# Allegro board RK3588_Template_LP4XD200P232SD8_41R0X41R0_2133MHz_H1R6_V10_20211229.brd (continued)
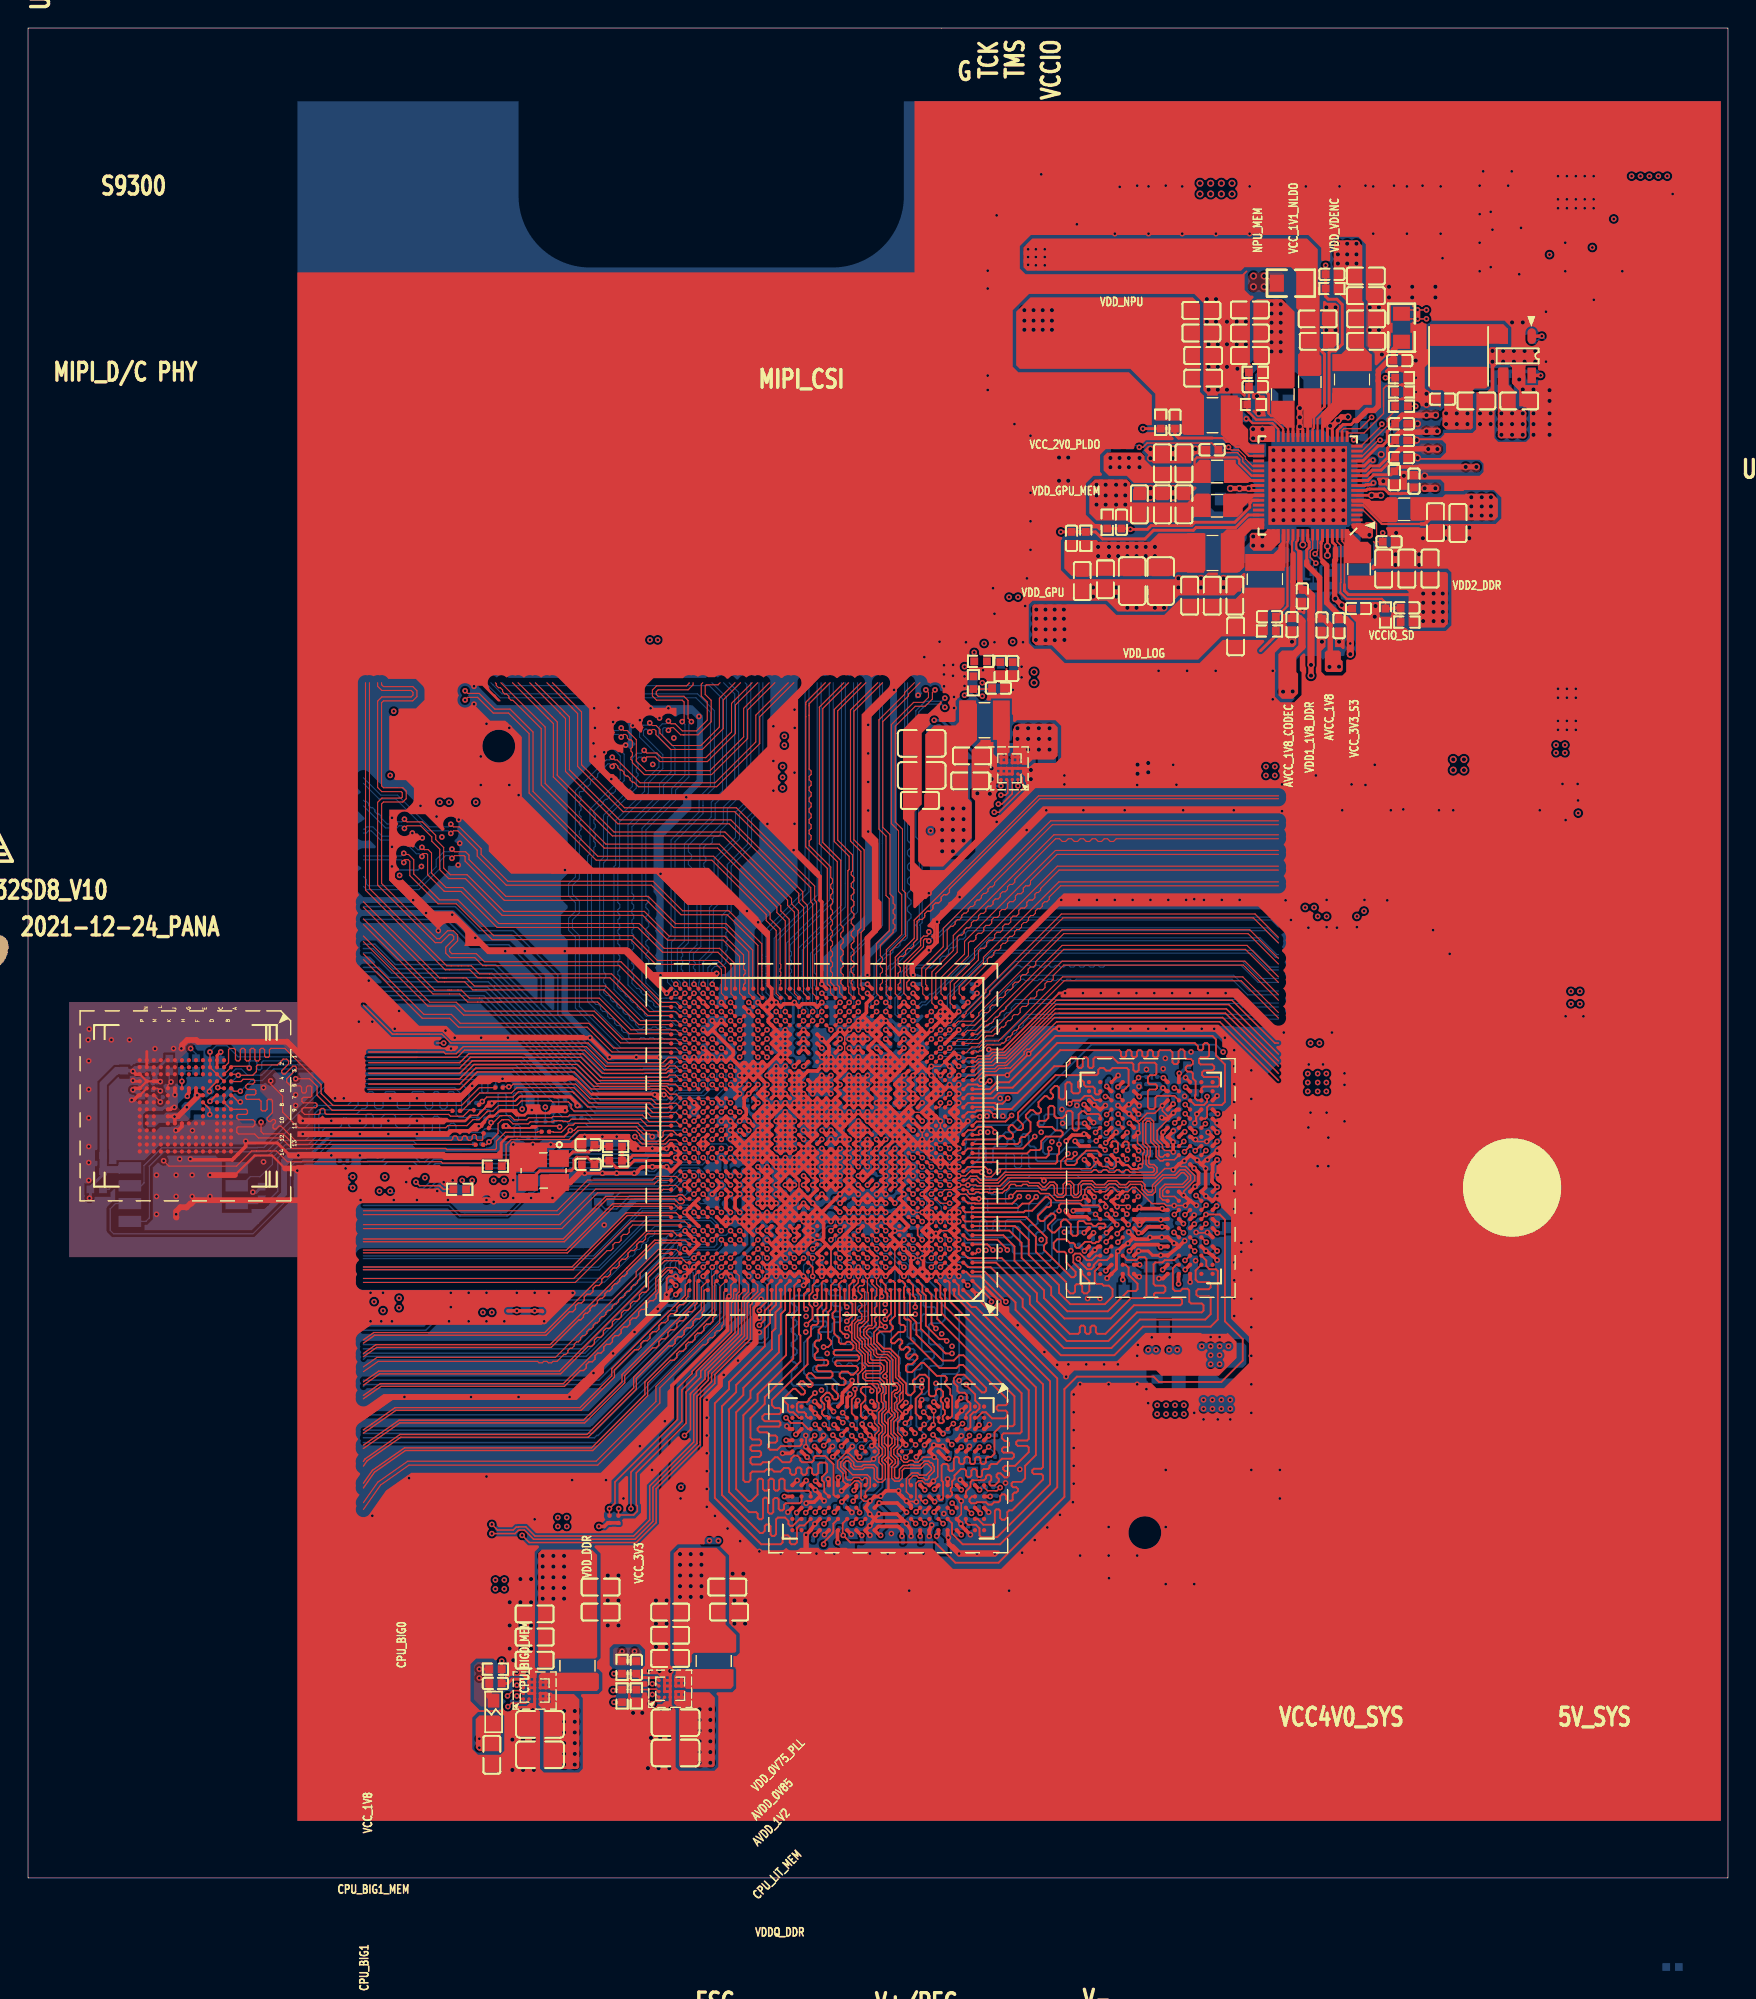
[diagram p0: board, top side]
## Footprints (pads in the part's own frame, mm; a bottom-side part is the same pattern mirrored in y, then rotated) (continued)
C0201
  custom 0.294x0.3 smd: 1(-0.25,0) 2(0.25,0)
C0402
  rect 0.55x0.55 smd: 1(-0.45,0) 2(0.45,0)
C0402_BGA
  custom 0.475x0.51 smd: 1(-0.47,0) 2(0.47,0)
C0603
  rect 0.8x0.9 smd: 1(-0.7,0) 2(0.7,0)
C0805
  rect 0.95x1.3 smd: 1(-0.825,0) 2(0.825,0)
CRY4_3R20X2R50X0R80
  rect 1.4x1.2 smd: 1(-1.1,-0.85) 2(1.1,-0.85) 3(1.1,0.85) 4(-1.1,0.85)
IND_201610
  rect 0.8x1.6 smd: 1(-0.9,0) 2(0.9,0)
IND_322512
  rect 1.2x2.8 smd: 1(-1.2,0) 2(1.2,0)
IND_404026
  rect 1.5x4 smd: 1(-1.5,0) 2(1.5,0)
L0603
  rect 0.965x0.8 smd: 1(-0.8,0) 2(0.8,0)
QFN68_7R00X7R00X0R80_T
  oval 0.8x0.2 smd: 1(-3.5,2.8)
  rect 0.8x0.2 smd: 2(-3.5,2.45) 3(-3.5,2.1) 4(-3.5,1.75) 5(-3.5,1.4) 6(-3.5,1.05) 7(-3.5,0.7) 8(-3.5,0.35) 9(-3.5,0) 10(-3.5,-0.35) 11(-3.5,-0.7) 12(-3.5,-1.05) 13(-3.5,-1.4) 14(-3.5,-1.75) 15(-3.5,-2.1) 16(-3.5,-2.45) 17(-3.5,-2.8) 35(3.5,-2.8) 36(3.5,-2.45) 37(3.5,-2.1) 38(3.5,-1.75) 39(3.5,-1.4) 40(3.5,-1.05) 41(3.5,-0.7) 42(3.5,-0.35) 43(3.5,0) 44(3.5,0.35) 45(3.5,0.7) 46(3.5,1.05) 47(3.5,1.4) 48(3.5,1.75) 49(3.5,2.1) 50(3.5,2.45) 51(3.5,2.8)
  rect 0.2x0.8 smd: 18(-2.8,-3.5) 19(-2.45,-3.5) 20(-2.1,-3.5) 21(-1.75,-3.5) 22(-1.4,-3.5) 23(-1.05,-3.5) 24(-0.7,-3.5) 25(-0.35,-3.5) 26(0,-3.5) 27(0.35,-3.5) 28(0.7,-3.5) 29(1.05,-3.5) 30(1.4,-3.5) 31(1.75,-3.5) 32(2.1,-3.5) 33(2.45,-3.5) 34(2.8,-3.5) 52(2.8,3.5) 53(2.45,3.5) 54(2.1,3.5) 55(1.75,3.5) 56(1.4,3.5) 57(1.05,3.5) 58(0.7,3.5) 59(0.35,3.5) 60(0,3.5) 61(-0.35,3.5) 62(-0.7,3.5) 63(-1.05,3.5) 64(-1.4,3.5) 65(-1.75,3.5) 66(-2.1,3.5) 67(-2.45,3.5) 68(-2.8,3.5)
  rect 5.6x5.6 smd: 69(0,0)
R0201
  custom 0.294x0.3 smd: 1(-0.25,0) 2(0.25,0)
R0402
  rect 0.55x0.55 smd: 1(-0.45,0) 2(0.45,0)
R0603
  rect 0.65x0.8 smd: 1(-0.725,0) 2(0.725,0)
R0805
  rect 1x1.2 smd: 1(-1,0) 2(1,0)
SOD_323
  rect 0.8x0.6 smd: 1(-1.2,0) 2(1.2,0)
SOT_23_5
  oval 1.1x0.6 smd: 1(0,0)
  rect 1.1x0.6 smd: 2(0,-1) 3(0,-2) 4(2.8,-2) 5(2.8,0)
WLCSP20_1R65X2R05X0R63
  round 0.24 smd: A1(-0.6,0.8) A2(-0.2,0.8) A3(0.2,0.8) A4(0.6,0.8) B1(-0.6,0.4) B2(-0.2,0.4) B3(0.2,0.4) B4(0.6,0.4) C1(-0.6,0) C2(-0.2,0) C3(0.2,0) C4(0.6,0) D1(-0.6,-0.4) D2(-0.2,-0.4) D3(0.2,-0.4) D4(0.6,-0.4) E1(-0.6,-0.8) E2(-0.2,-0.8) E3(0.2,-0.8) E4(0.6,-0.8)
WSON8_8R00X6R00X0R80_T
  rect 0.8x1.6 smd: 1(-1.905,-3.8) 2(-0.635,-3.8) 3(0.635,-3.8) 4(1.905,-3.8) 5(1.905,3.8) 6(0.635,3.8) 7(-0.635,3.8) 8(-1.905,3.8)
  rect 3.4x4.3 smd: 9(0,0)

## Nets
GND: C1000.2 C1001.2 C1002.2 C1003.2 C1004.2 C1005.2 C1006.2 C1007.2 C1010.2 C1013.2 C1014.2 C1015.2 C1016.2 C1017.2 C1018.2 C1019.2 C1020.2 C1022.2 C1023.2 C1024.2 C1025.2 C1027.2 C1028.2 C1029.2 C1030.2 C1031.2 C1032.2 C1033.2 C1034.2 C1035.2 C1036.2 C1037.2 C1038.2 C1039.2 C1040.2 C1041.2 C1042.2 C1043.2 C1045.2 C1046.2 C1047.2 C1048.2 C1049.2 C1050.2 C1051.2 C1052.2 C1054.2 C1057.2 C1058.2 C1059.2 C1060.2 C1061.2 C1062.2 C1063.2 C1064.2 C1065.2 C1066.2 C1069.2 C1070.2 C1071.2 C1072.2 C1073.2 C1080.2 C1081.2 C1082.2 C1083.2 C1085.2 C1086.2 C1100.2 C1101.2 C1102.2 C1103.2 C1104.2 C1105.2 C1106.2 C1107.2 C1109.2 C1110.2 C1111.2 C1112.2 C1113.2 C1200.2 C1201.2 C1202.2 C1203.2 C1204.2 C1205.2 C1206.2 C1207.2 C1208.2 C1209.2 C1210.2 C1211.2 C1212.2 C1213.2 C1214.2 C1215.2 C1216.2 C1217.2 C1218.2 C1219.2 C1220.2 C1221.2 C1223.2 C1224.2 C1225.2 C1226.2 C1227.2 C1228.2 C1229.2 C1231.2 C1232.2 C1300.2 C1301.2 C1302.2 C1400.2 C1401.2 C1402.2 C1403.2 C1404.2 C1405.2 C1406.2 C1407.2 C1408.2 C1409.2 C1410.2 C1501.2 C1502.2 C1503.2 C1505.2 C1510.2 C1511.2 C1512.2 C1513.2 C1600.2 C1601.2 C1602.2 C1603.2 C1605.2 C1608.2 C1609.2 C1611.2 C1613.2 C1615.2 C1616.2 C1617.2 C1619.2 C1621.2 C1714.2 C1715.2 C1716.2 C1717.2 C1729.2 C1731.2 C1732.2 C1733.2 C1735.2 C1738.2 C1740.2 C1741.2 C1742.2 C1752.2 C1800.2 C1801.2 C1802.2 C1803.2 C1804.2 C1806.2 C1808.2 C1810.2 C1812.2 C1813.2 C1814.2 C1815.2 C1816.2 C1818.2 C1902.2 C1903.2 C1907.2 C1908.2 C1909.2 C2200.2 C2201.2 C2202.2 C2203.2 C2204.2 C2207.2 C2208.2 C2209.2 C2210.2 C2211.2 C2212.2 C2213.2 C2214.2 C2215.2 C2218.2 C2219.2 C2220.2 C2221.2 C2222.2 C2223.2 C2224.2 C2225.2 C2226.2 C2229.2 C2230.2 C2231.2 C2232.2 C2234.2 C2235.2 C2236.2 C2237.2 C2240.2 C2241.2 C2242.2 C2243.2 C2244.2 C2245.2 C2246.2 C2247.2 C2249.2 C2250.2 C2252.2 C2253.2 C2254.2 C2255.2 C2256.2 C2257.2 C2258.2 C2259.2 C2260.2 C2262.2 C2263.2 C2264.2 C2265.2 C2266.2 C2267.2 C2268.2 C2269.2 C2270.2 C2271.2 C2300.2 C2301.2 C2302.2 C2303.2 C2305.2 C2306.2 C2307.2 C2308.2 C2309.2 C2311.2 C2312.2 C2313.2 C2314.2 C2315.2 C2316.2 C2317.2 C2318.2 C2319.2 C2321.2 C2322.2 C2324.2 C2325.2 C2326.2 C2327.2 C2328.2 C2329.2 C3800.2 C3801.2 C3802.2 C3803.2 C3804.2 C3805.2 C3806.2 C3807.2 C3808.2 C3809.2 C3810.2 C3811.2 C3812.2 C3813.2 C3814.2 C3815.2 C3816.2 C3817.2 C3818.2 C3819.2 C3820.2 C3821.2 C3822.2 C3823.2 C3824.2 C3825.2 C3826.2 C3827.2 C3828.2 C3829.2 C3830.2 C3831.2 C3832.2 C3833.2 C3834.2 C3835.2 C3836.2 C3837.2 C3838.2 C3839.2 C3840.2 C3841.2 C3842.2 C3844.2 C3845.2 C3846.2 C3847.2 C3848.2 C3849.2 C3850.2 C3851.2 C3852.2 C3853.2 C3854.2 C3855.2 C3856.2 C3857.2 C3858.2 C3859.2 C3860.2 C3861.2 C3862.2 C3863.2 C3864.2 C3865.2 C3866.2 C3867.2 C3868.2 C3869.2 C3870.2 C3871.2 C3872.2 C3873.2 C3874.2 C3875.2 C3876.2 C3877.2 C3878.2 C3879.2 C3880.2 C3881.2 C3882.2 C3883.2 C3884.2 C3885.2 C3886.2 C3887.2 C4000.2 C4001.2 C4002.2 C4003.2 C4004.2 C4005.2 C4006.2 C4007.2 C4008.2 C4009.2 C4300.2 C4301.2 C9314.2 D2200.1(A) R1110.2 R1116.2 R1400.2 R1401.2 R1402.2 R1405.2 R1406.2 R1410.2 R1509.2 R1510.2 R1708.2 R1719.2 R1730.2 R1801.2 R1807.2 R2204.2 R2208.2 R2212.2 R2213.2 R2217.1 R2303.2 R2307.2 R4004.2 U1000.A1(VSS_1) U1000.A11(VSS_2) U1000.A14(VSS_3) U1000.A34(VSS_4) U1000.AA3(VSS_248) U1000.AA6(VSS_249) U1000.AA8(AVSS_15) U1000.AA10(AVSS_16) U1000.AA11(VSS_250) U1000.AA16(VSS_251) U1000.AA17(VSS_252) U1000.AA18(VSS_253) U1000.AA19(VSS_254) U1000.AA20(VSS_255) U1000.AA21(VSS_256) U1000.AA22(VSS_257) U1000.AA23(VSS_258) U1000.AA24(VSS_259) U1000.AA31(VSS_260) U1000.AB3(VSS_261) U1000.AB5(VSS_262) U1000.AB6(AVSS_17) U1000.AB7(AVSS_18) U1000.AB8(AVSS_19) U1000.AB10(AVSS_20) U1000.AB11(VSS_263) U1000.AB16(VSS_264) U1000.AB17(VSS_265) U1000.AB18(VSS_266) U1000.AB19(VSS_267) U1000.AB20(VSS_268) U1000.AB24(VSS_269) U1000.AB27(VSS_270) U1000.AB29(VSS_271) U1000.AB32(VSS_272) U1000.AC3(VSS_273) U1000.AC4(VSS_274) U1000.AC5(AVSS_21) U1000.AC8(AVSS_22) U1000.AC10(AVSS_23) U1000.AC11(VSS_275) U1000.AC12(VSS_276) U1000.AC16(VSS_277) U1000.AC20(VSS_278) U1000.AC21(VSS_279) U1000.AC24(VSS_280) U1000.AC27(VSS_281) U1000.AD5(AVSS_24) U1000.AD8(AVSS_25) U1000.AD10(AVSS_26) U1000.AD11(VSS_282) U1000.AD12(VSS_283) U1000.AD16(VSS_284) U1000.AD20(VSS_285) U1000.AD21(VSS_286) U1000.AD24(VSS_287) U1000.AD25(VSS_288) U1000.AD26(VSS_289) U1000.AE3(VSS_290) U1000.AE6(AVSS_27) U1000.AE7(AVSS_28) U1000.AE9(AVSS_29) U1000.AE11(VSS_291) U1000.AE12(VSS_292) U1000.AE13(VSS_293) U1000.AE14(VSS_294) U1000.AE15(VSS_295) U1000.AE16(VSS_296) U1000.AE18(VSS_297) U1000.AE19(VSS_298) U1000.AE20(VSS_299) U1000.AE21(VSS_300) U1000.AE24(VSS_301) U1000.AE26(VSS_302) U1000.AF4(AVSS_30) U1000.AF7(AVSS_31) U1000.AF8(AVSS_32) U1000.AF11(AVSS_33) U1000.AF12(AVSS_34) U1000.AF13(AVSS_35) U1000.AF14(AVSS_36) U1000.AF15(AVSS_37) U1000.AF16(AVSS_38) U1000.AF21(AVSS_39) U1000.AF22(VSS_303) U1000.AF24(VSS_304) U1000.AF25(VSS_305) U1000.AF27(VSS_306) U1000.AF28(VSS_307) U1000.AF29(VSS_308) U1000.AF30(VSS_309) U1000.AF31(VSS_310) U1000.AF32(VSS_311) U1000.AG3(AVSS_40) U1000.AG6(AVSS_41) U1000.AG7(AVSS_42) U1000.AG10(AVSS_43) U1000.AG12(AVSS_44) U1000.AG15(AVSS_45) U1000.AG18(AVSS_46) U1000.AG21(AVSS_47) U1000.AG22(AVSS_48) U1000.AG30(VSS_312) U1000.AH4(AVSS_49) U1000.AH8(AVSS_50) U1000.AH11(AVSS_51) U1000.AH12(AVSS_52) U1000.AH15(AVSS_53) U1000.AH21(AVSS_54) U1000.AH22(AVSS_55) U1000.AH23(AVSS_56) U1000.AJ3(AVSS_57) U1000.AJ7(AVSS_58) U1000.AJ8(AVSS_59) U1000.AJ9(AVSS_60) U1000.AJ11(AVSS_61) U1000.AJ12(AVSS_62) U1000.AJ15(AVSS_63) U1000.AJ16(AVSS_64) U1000.AJ18(AVSS_65) U1000.AJ21(AVSS_66) U1000.AJ22(AVSS_67) U1000.AJ23(AVSS_68) U1000.AJ30(VSS_313) U1000.AK4(AVSS_69) U1000.AK5(AVSS_70) U1000.AK7(AVSS_71) U1000.AK10(AVSS_72) U1000.AK11(AVSS_73) U1000.AK12(AVSS_74) U1000.AK13(AVSS_75) U1000.AK14(AVSS_76) U1000.AK23(AVSS_77) U1000.AK28(VSS_314) U1000.AK29(VSS_315) U1000.AL3(AVSS_78) U1000.AL4(AVSS_79) U1000.AL5(AVSS_80) U1000.AL11(AVSS_81) U1000.AL13(AVSS_82) U1000.AL23(AVSS_83) U1000.AL25(VSS_316) U1000.AM4(AVSS_84) U1000.AM8(AVSS_85) U1000.AM9(AVSS_86) U1000.AM18(AVSS_87) U1000.AM20(AVSS_88) U1000.AM22(AVSS_89) U1000.AM23(AVSS_90) U1000.AM24(AVSS_91) U1000.AM26(AVSS_92) U1000.AM28(AVSS_93) U1000.AM30(VSS_317) U1000.AN7(AVSS_94) U1000.AN12(AVSS_95) U1000.AN23(AVSS_96) U1000.AN31(AVSS_97) U1000.AP1(AVSS_98) U1000.AP17(AVSS_99) U1000.AP23(AVSS_100) U1000.AP34(AVSS_101) U1000.B6(VSS_5) U1000.B19(VSS_6) U1000.B24(VSS_7) U1000.B27(VSS_8) U1000.B33(VSS_9) U1000.C3(VSS_10) U1000.C4(VSS_11) U1000.C5(VSS_12) U1000.C6(VSS_13) U1000.C7(VSS_14) U1000.C8(VSS_15) U1000.C9(VSS_16) U1000.C10(VSS_17) U1000.C11(VSS_18) U1000.C12(VSS_19) U1000.C13(VSS_20) U1000.C14(VSS_21) U1000.C15(VSS_22) U1000.C16(VSS_23) U1000.C17(VSS_24) U1000.C18(VSS_25) U1000.C20(VSS_26) U1000.C21(VSS_27) U1000.C22(VSS_28) U1000.C23(VSS_29) U1000.C26(VSS_30) U1000.C28(VSS_31) U1000.C30(VSS_32) U1000.C32(VSS_33) U1000.D3(VSS_34) U1000.D23(VSS_35) U1000.D24(VSS_36) U1000.D31(VSS_37) U1000.E3(VSS_38) U1000.E6(VSS_39) U1000.E8(VSS_40) U1000.E12(VSS_41) U1000.E18(VSS_42) U1000.E20(VSS_43) U1000.E22(VSS_44) U1000.E23(VSS_45) U1000.E32(VSS_46) U1000.F3(VSS_47) U1000.F7(VSS_48) U1000.F9(VSS_49) U1000.F10(VSS_50) U1000.F11(VSS_51) U1000.F13(VSS_52) U1000.F14(VSS_53) U1000.F15(VSS_54) U1000.F16(VSS_55) U1000.F19(VSS_56) U1000.F20(VSS_57) U1000.F21(VSS_58) U1000.F22(VSS_59) U1000.F23(VSS_60) U1000.F31(VSS_61) U1000.G3(VSS_62) U1000.G6(VSS_63) U1000.G10(VSS_64) U1000.G15(VSS_65) U1000.G19(VSS_66) U1000.G21(VSS_67) U1000.G22(VSS_68) U1000.G25(VSS_69) U1000.G32(VSS_70) U1000.H3(VSS_71) U1000.H6(VSS_72) U1000.H10(VSS_73) U1000.H12(VSS_74) U1000.H14(VSS_75) U1000.H19(VSS_76) U1000.H22(VSS_77) U1000.H25(VSS_78) U1000.H26(VSS_79) U1000.H28(AVSS_1) U1000.H31(AVSS_2) U1000.J3(VSS_80) U1000.J4(VSS_81) U1000.J5(VSS_82) U1000.J6(VSS_83) U1000.J10(VSS_84) U1000.J11(VSS_85) U1000.J12(VSS_86) U1000.J13(VSS_87) U1000.J14(VSS_88) U1000.J15(VSS_89) U1000.J16(VSS_90) U1000.J18(VSS_91) U1000.J19(VSS_92) U1000.J20(VSS_93) U1000.J21(VSS_94) U1000.J22(VSS_95) U1000.J23(VSS_96) U1000.J24(VSS_97) U1000.J25(VSS_98) U1000.J27(AVSS_3) U1000.J28(AVSS_4) U1000.J29(AVSS_5) U1000.J32(AVSS_6) U1000.K3(VSS_99) U1000.K6(VSS_100) U1000.K8(VSS_101) U1000.K9(VSS_102) U1000.K18(VSS_103) U1000.K21(VSS_104) U1000.K22(VSS_105) U1000.K26(AVSS_7) U1000.K31(AVSS_8) U1000.K32(AVSS_9) U1000.L1(VSS_106) U1000.L3(VSS_107) U1000.L6(VSS_108) U1000.L9(VSS_109) U1000.L16(DDR_CH1_PLL_AVSS) U1000.L19(VSS_110) U1000.L20(VSS_111) U1000.L21(VSS_112) U1000.L22(VSS_113) U1000.L25(VSS_114) U1000.L26(AVSS_10) U1000.L31(AVSS_11) U1000.M3(VSS_115) U1000.M6(VSS_116) U1000.M9(VSS_117) U1000.M11(DDR_CH0_PLL_AVSS) U1000.M14(VSS_118) U1000.M15(VSS_119) U1000.M18(VSS_120) U1000.M20(VSS_121) U1000.M22(VSS_122) U1000.M25(VSS_123) U1000.M26(AVSS_12) U1000.M29(TVSS) U1000.M32(AVSS_13) U1000.N3(VSS_124) U1000.N6(VSS_125) U1000.N9(VSS_126) U1000.N11(VSS_127) U1000.N14(VSS_128) U1000.N15(VSS_129) U1000.N18(VSS_130) U1000.N20(VSS_131) U1000.N22(VSS_132) U1000.N25(VSS_133) U1000.N26(VSS_134) U1000.N29(VSS_135) U1000.N32(AVSS_14) U1000.P1(VSS_136) U1000.P3(VSS_137) U1000.P6(VSS_138) U1000.P8(VSS_139) U1000.P9(VSS_140) U1000.P11(VSS_141) U1000.P14(VSS_142) U1000.P15(VSS_143) U1000.P18(VSS_144) U1000.P19(VSS_145) U1000.P20(VSS_146) U1000.P21(VSS_147) U1000.P22(VSS_148) U1000.P25(VSS_149) U1000.P26(VSS_150) U1000.P34(VSS_151) U1000.R3(VSS_152) U1000.R5(VSS_153) U1000.R8(VSS_154) U1000.R9(VSS_155) U1000.R11(VSS_156) U1000.R13(VSS_157) U1000.R15(VSS_158) U1000.R18(VSS_159) U1000.R19(VSS_160) U1000.R20(VSS_161) U1000.R21(VSS_162) U1000.R22(VSS_163) U1000.R23(VSS_164) U1000.R24(VSS_165) U1000.R25(VSS_166) U1000.R26(VSS_167) U1000.R28(VSS_168) U1000.R33(VSS_169) U1000.T3(VSS_170) U1000.T6(VSS_171) U1000.T9(VSS_172) U1000.T11(VSS_173) U1000.T13(VSS_174) U1000.T15(VSS_175) U1000.T18(VSS_176) U1000.T19(VSS_177) U1000.T20(VSS_178) U1000.T23(VSS_179) U1000.T24(VSS_180) U1000.T25(VSS_181) U1000.T26(VSS_182) U1000.T27(VSS_183) U1000.T33(VSS_184) U1000.U3(VSS_185) U1000.U12(VSS_186) U1000.U13(VSS_187) U1000.U15(VSS_188) U1000.U16(VSS_189) U1000.U17(VSS_190) U1000.U19(PLL_AVSS) U1000.U20(VSS_191) U1000.U23(VSS_192) U1000.U24(VSS_193) U1000.U30(VSS_194) U1000.U31(VSS_195) U1000.U34(VSS_196) U1000.V3(VSS_197) U1000.V4(VSS_198) U1000.V5(VSS_199) U1000.V8(VSS_200) U1000.V9(VSS_201) U1000.V10(VSS_202) U1000.V11(VSS_203) U1000.V15(VSS_204) U1000.V18(VSS_205) U1000.V19(VSS_206) U1000.V23(VSS_207) U1000.V24(VSS_208) U1000.V25(VSS_209) U1000.V27(VSS_210) U1000.V30(VSS_211) U1000.W2(VSS_212) U1000.W3(VSS_213) U1000.W6(VSS_214) U1000.W7(VSS_215) U1000.W9(VSS_216) U1000.W10(VSS_217) U1000.W11(VSS_218) U1000.W12(VSS_219) U1000.W15(VSS_220) U1000.W16(VSS_221) U1000.W17(VSS_222) U1000.W18(VSS_223) U1000.W19(VSS_224) U1000.W20(VSS_225) U1000.W23(VSS_226) U1000.W24(VSS_227) U1000.W27(VSS_228) U1000.Y3(VSS_229) U1000.Y5(VSS_230) U1000.Y6(VSS_231) U1000.Y8(VSS_232) U1000.Y9(VSS_233) U1000.Y10(VSS_234) U1000.Y11(VSS_235) U1000.Y12(VSS_236) U1000.Y13(VSS_237) U1000.Y14(VSS_238) U1000.Y15(VSS_239) U1000.Y16(VSS_240) U1000.Y17(VSS_241) U1000.Y18(VSS_242) U1000.Y19(VSS_243) U1000.Y20(VSS_244) U1000.Y23(VSS_245) U1000.Y24(VSS_246) U1000.Y28(VSS_247) U2200.69(EPAD) U2300.B2(GND1) U2300.B3(GND2) U2300.B4(AGND) U2300.C1(GND3) U2300.C2(GND4) U2300.C3(GND5) U2300.C4(GND6) U2301.B2(GND1) U2301.B3(GND2) U2301.B4(AGND) U2301.C1(GND3) U2301.C2(GND4) U2301.C3(GND5) U2301.C4(GND6) U2302.2(GND) U2303.B2(GND1) U2303.B3(GND2) U2303.B4(AGND) U2303.C1(GND3) U2303.C2(GND4) U2303.C3(GND5) U2303.C4(GND6) U3800.A3(VSS_1) U3800.A10(VSS_2) U3800.AB3(VSS_55) U3800.AB5(VSS_56) U3800.AB8(VSS_57) U3800.AB10(VSS_58) U3800.C1(VSS_3) U3800.C5(VSS_4) U3800.C8(VSS_5) U3800.C12(VSS_6) U3800.D2(VSS_7) U3800.D4(VSS_8) U3800.D9(VSS_9) U3800.D11(VSS_10) U3800.E1(VSS_11) U3800.E5(VSS_12) U3800.E8(VSS_13) U3800.E12(VSS_14) U3800.G1(VSS_15) U3800.G3(VSS_16) U3800.G5(VSS_17) U3800.G8(VSS_18) U3800.G10(VSS_19) U3800.G12(VSS_20) U3800.J1(VSS_21) U3800.J3(VSS_22) U3800.J10(VSS_23) U3800.J12(VSS_24) U3800.K2(VSS_25) U3800.K4(VSS_26) U3800.K9(VSS_27) U3800.K11(VSS_28) U3800.N2(VSS_29) U3800.N4(VSS_30) U3800.N9(VSS_31) U3800.N11(VSS_32) U3800.P1(VSS_33) U3800.P3(VSS_34) U3800.P10(VSS_35) U3800.P12(VSS_36) U3800.T1(VSS_37) U3800.T3(VSS_38) U3800.T5(VSS_39) U3800.T8(VSS_40) U3800.T10(VSS_41) U3800.T12(VSS_42) U3800.V1(VSS_43) U3800.V5(VSS_44) U3800.V8(VSS_45) U3800.V12(VSS_46) U3800.W2(VSS_47) U3800.W4(VSS_48) U3800.W9(VSS_49) U3800.W11(VSS_50) U3800.Y1(VSS_51) U3800.Y5(VSS_52) U3800.Y8(VSS_53) U3800.Y12(VSS_54) U3801.A3(VSS_1) U3801.A10(VSS_2) U3801.AB3(VSS_55) U3801.AB5(VSS_56) U3801.AB8(VSS_57) U3801.AB10(VSS_58) U3801.C1(VSS_3) U3801.C5(VSS_4) U3801.C8(VSS_5) U3801.C12(VSS_6) U3801.D2(VSS_7) U3801.D4(VSS_8) U3801.D9(VSS_9) U3801.D11(VSS_10) U3801.E1(VSS_11) U3801.E5(VSS_12) U3801.E8(VSS_13) U3801.E12(VSS_14) U3801.G1(VSS_15) U3801.G3(VSS_16) U3801.G5(VSS_17) U3801.G8(VSS_18) U3801.G10(VSS_19) U3801.G12(VSS_20) U3801.J1(VSS_21) U3801.J3(VSS_22) U3801.J10(VSS_23) U3801.J12(VSS_24) U3801.K2(VSS_25) U3801.K4(VSS_26) U3801.K9(VSS_27) U3801.K11(VSS_28) U3801.N2(VSS_29) U3801.N4(VSS_30) U3801.N9(VSS_31) U3801.N11(VSS_32) U3801.P1(VSS_33) U3801.P3(VSS_34) U3801.P10(VSS_35) U3801.P12(VSS_36) U3801.T1(VSS_37) U3801.T3(VSS_38) U3801.T5(VSS_39) U3801.T8(VSS_40) U3801.T10(VSS_41) U3801.T12(VSS_42) U3801.V1(VSS_43) U3801.V5(VSS_44) U3801.V8(VSS_45) U3801.V12(VSS_46) U3801.W2(VSS_47) U3801.W4(VSS_48) U3801.W9(VSS_49) U3801.W11(VSS_50) U3801.Y1(VSS_51) U3801.Y5(VSS_52) U3801.Y8(VSS_53) U3801.Y12(VSS_54) U4000.A6(VSS2) U4000.C4(VSS3) U4000.E7(VSS4) U4000.G5(VSS5) U4000.H10(VSS6) U4000.J5(VSS1) U4000.K8(VSSQ1) U4000.N2(VSSQ2) U4000.N5(VSSQ3) U4000.P4(VSSQ4) U4000.P6(VSSQ5) U4300.4(VSS) U4300.9(EPAD) Y1100.2(GND#2) Y1100.4(GND#4)
VCC1V8_PMU_DDR_S3: C1107.1 C1112.1 C3800.1 C3801.1 C3802.1 C3803.1 C3804.1 C3805.1 C3806.1 C3807.1 C3808.1 C3845.1 C3846.1 C3847.1 C3848.1 C3849.1 C3850.1 C3851.1 C3852.1 C3853.1 R2210.1 R2211.1 U1000.N28(PMUIO1_1V8) U1000.R27(PMUIO2_1V8) U3800.F1(VDD1_1) U3800.F12(VDD1_2) U3800.G4(VDD1_3) U3800.G9(VDD1_4) U3800.T4(VDD1_5) U3800.T9(VDD1_6) U3800.U1(VDD1_7) U3800.U12(VDD1_8) U3801.F1(VDD1_1) U3801.F12(VDD1_2) U3801.G4(VDD1_3) U3801.G9(VDD1_4) U3801.T4(VDD1_5) U3801.T9(VDD1_6) U3801.U1(VDD1_7) U3801.U12(VDD1_8)
VCC4V0_SYS: C2200.1 C2201.1 C2210.1 C2212.1 C2222.1 C2223.1 C2234.1 C2235.1 C2244.1 C2245.1 C2258.1 C2260.1 C2261.1 C2300.1 C2301.1 C2302.1 C2303.1 C2317.1 C2318.1 C2319.1 U2200.1(VCC9) U2200.7(VCC8) U2200.21(VCCA) U2200.22(VCC4) U2200.27(VCC10) U2200.28(VCC6) U2200.33(VCC2_1) U2200.34(VCC2_2) U2200.43(VCC7) U2200.44(VCC5) U2200.52(VCC1_1) U2200.53(VCC1_2) U2200.54(VCC3) U2200.64(VCC12) U2300.D1(VIN_1) U2300.D2(VIN_2) U2300.E1(VIN_3) U2300.E2(VIN_4) U2301.D1(VIN_1) U2301.D2(VIN_2) U2301.E1(VIN_3) U2301.E2(VIN_4) U2302.4(VIN) U2303.D1(VIN_1) U2303.D2(VIN_2) U2303.E1(VIN_3) U2303.E2(VIN_4)
VCC_1V1_NLDO_S3: C2263.1 C2270.1 C2320.1 C2321.1 C2322.1 L2302.2 R2305.1 U2200.9(VCC14) U2200.13(VCC13)
VCC_1V8_S0: C1301.1 C1502.1 C1503.1 C1605.1 C1613.1 C1617.1 C1621.1 C1716.1 C1717.1 C1731.1 C1732.1 C1733.1 C1742.1 C1903.1 C1907.1 C1909.1 C2254.1 R1903.1 R1904.1 U1000.AA7(VCCIO2_1V8) U1000.AA26(MIPI_CSI1_AVCC1V8) U1000.AB26(MIPI_CSI0_AVCC1V8) U1000.AC6(HDMI/EDP_TX0_VDD_CMN_1V8) U1000.AC7(HDMI/EDP_TX0_VDD_IO_1V8) U1000.AC25(VCCIO6_1V8) U1000.AD6(HDMI/EDP_TX1_VDD_CMN_1V8) U1000.AD7(HDMI/EDP_TX1_VDD_IO_1V8) U1000.AJ19(MIPI_D/C_PHY1_VDD_1V8) U1000.AJ20(MIPI_D/C_PHY0_VDD_1V8) U1000.G20(VCCIO1_1V8) U1000.H20(VCCIO4_1V8) U1000.H21(VCCIO4) U1000.W25(VCCIO5_1V8) U1000.Y26(VCCIO3_1V8) U2200.58(PLDO2)
VCC_1V8_S3: C1300.1 C2246.1 C2247.1 C4000.1 C4001.1 C4002.1 C4003.1 C4004.1 C4300.1 C4301.1 L2208.1 R2211.2 R2214.1 R2215.1 R4000.1 R4001.1 R4002.1 R4300.1 R4301.1 U1000.V26(EMMCIO_1V8) U2200.25(VOUT10) U4000.C6(VCCQ1) U4000.M4(VCCQ2) U4000.N4(VCCQ3) U4000.P3(VCCQ4) U4000.P5(VCCQ5) U4300.8(VCC)
VCC_1V8_S3_PLDO6: C2256.1 R2210.2 U2200.20(VCCIO)
VCC_2V0_PLDO_S3: C2249.1 C2250.1 C2252.1 L2209.2 U2200.41(VOUT7) U2200.59(VCC11)
VCC_3V3_S0: C1902.1 C1908.1 U1000.AC26(VCCIO6) U1000.W26(VCCIO5)
VCC_3V3_S3: C1113.1 C2236.1 C2237.1 C4006.1 C4007.1 C4008.1 L2206.1 R1111.1 R1112.1 R1113.1 R1114.1 R1130.1 R2302.1 U1000.P28(PMUIO2) U2200.5(VOUT8) U4000.E6(VCC1) U4000.F5(VCC2) U4000.J10(VCC3) U4000.K9(VCC4)
VCCA_1V8_S0: C1103.1 C1104.1 C1109.1 C1214.1 C1217.1 C1402.1 C1403.1 C1406.1 C1407.1 C1409.1 C1501.1 C1800.1 C1801.1 C1804.1 C1808.1 C1812.1 C1813.1 C1816.1 C2253.1 R1500.2 R1508.1 R1511.1 U1000.AG11(USB20_AVDD_1V8) U1000.AG13(TYPEC1_DP1_VDDH_1V8) U1000.AG14(TYPEC0_DP0_VDDH_1V8) U1000.AH18(SARADC_AVDD_1V8) U1000.G23(PCIE30_PORT0_AVDD1V8) U1000.H23(PCIE30_PORT1_AVDD1V8) U1000.K16(DDR_CH1_PLL_AVDD1V8) U1000.K27(PCIE20_SATA30_USB30_2_AVDD_1V8) U1000.L27(PCIE20_SATA30_1_AVDD_1V8) U1000.M12(DDR_CH0_PLL_AVDD1V8) U1000.M27(PCIE20_SATA30_0_AVDD_1V8) U1000.N27(OSC_1V8) U1000.U18(PLL_AVDD1V8) U2200.60(PLDO1)
VCCA_3V3_S0: C1410.1 C1740.1 C1741.1 C2257.1 U1000.AE4(HDMI_RX_VPH3V3) U1000.AE5(HDMI_RX_DVDD3V3) U1000.AJ10(USB20_AVDD_3V3) U2200.63(PLDO4)
VCCIO_SD_S0: C1302.1 C2259.1 U1000.Y7(VCCIO2) U2200.65(PLDO5)
VDD2_DDR_S3: C2213.1 C2214.1 C2215.1 C2216.1 C3809.1 C3810.1 C3811.1 C3812.1 C3813.1 C3814.1 C3815.1 C3816.1 C3817.1 C3818.1 C3819.1 C3820.1 C3821.1 C3822.1 C3823.1 C3854.1 C3855.1 C3856.1 C3857.1 C3858.1 C3859.1 C3860.1 C3861.1 C3862.1 C3863.1 C3864.1 C3865.1 C3866.1 C3867.1 C3868.1 L2202.1 R1205.2 R2202.1 R3806.1 R3807.2 R3811.2 R3816.1 R3817.2 U2200.30(VOUT6) U3800.A4(VDD2_1) U3800.A9(VDD2_2) U3800.AB4(VDD2_23) U3800.AB9(VDD2_24) U3800.F5(VDD2_3) U3800.F8(VDD2_4) U3800.H1(VDD2_5) U3800.H5(VDD2_6) U3800.H8(VDD2_7) U3800.H12(VDD2_8) U3800.K1(VDD2_9) U3800.K3(VDD2_10) U3800.K10(VDD2_11) U3800.K12(VDD2_12) U3800.N1(VDD2_13) U3800.N3(VDD2_14) U3800.N10(VDD2_15) U3800.N12(VDD2_16) U3800.R1(VDD2_17) U3800.R5(VDD2_18) U3800.R8(VDD2_19) U3800.R12(VDD2_20) U3800.U5(VDD2_21) U3800.U8(VDD2_22) U3801.A4(VDD2_1) U3801.A9(VDD2_2) U3801.AB4(VDD2_23) U3801.AB9(VDD2_24) U3801.F5(VDD2_3) U3801.F8(VDD2_4) U3801.H1(VDD2_5) U3801.H5(VDD2_6) U3801.H8(VDD2_7) U3801.H12(VDD2_8) U3801.K1(VDD2_9) U3801.K3(VDD2_10) U3801.K10(VDD2_11) U3801.K12(VDD2_12) U3801.N1(VDD2_13) U3801.N3(VDD2_14) U3801.N10(VDD2_15) U3801.N12(VDD2_16) U3801.R1(VDD2_17) U3801.R5(VDD2_18) U3801.R8(VDD2_19) U3801.R12(VDD2_20) U3801.U5(VDD2_21) U3801.U8(VDD2_22)
VDD_0V75_S0: C1105.1 C1106.1 C1505.1 C1601.1 C1602.1 C1609.1 C1615.1 C1616.1 C1619.1 C1802.1 C1803.1 C1814.1 C1815.1 C2271.1 U1000.AA25(MIPI_CSI1_AVCC0V75) U1000.AB25(MIPI_CSI0_AVCC0V75) U1000.AD3(OTP_VDDOTP_0V75) U1000.AG19(MIPI_D/C_PHY1_VDD) U1000.AG20(MIPI_D/C_PHY0_VDD) U1000.G24(PCIE30_PORT0_AVDD0V75) U1000.H24(PCIE30_PORT1_AVDD0V75) U1000.V20(PLL_DVDD0V75) U2200.8(NLDO5)
VDD_0V75_S3: C1110.1 C1111.1 C2262.1 U1000.P27(PMU_0V75) U2200.14(NLDO1)
VDD_CPU_BIG0_S0: C1010.1 C1013.1 C1014.1 C1015.1 C1016.1 C1017.1 C1018.1 C1019.1 C1022.1 C1023.1 C1080.1 C2304.1 C2304.2 C2305.1 C2306.1 C2307.1 C2308.1 C2309.1 L2300.2 R2300.1 R2300.2 U1000.M16(VDD_CPU_BIG0_0) U1000.M17(VDD_CPU_BIG0_9) U1000.M19(VDD_CPU_BIG0_MEM_0) U1000.N16(VDD_CPU_BIG0_1) U1000.N17(VDD_CPU_BIG0_8) U1000.N19(VDD_CPU_BIG0_MEM_1) U1000.P16(VDD_CPU_BIG0_2) U1000.P17(VDD_CPU_BIG0_7) U1000.R16(VDD_CPU_BIG0_3) U1000.R17(VDD_CPU_BIG0_6) U1000.T16(VDD_CPU_BIG0_4) U1000.T17(VDD_CPU_BIG0_5) U2300.A4(VOUT)
VDD_CPU_BIG1_MEM_S0: C1051.1 C1083.1 C2316.1 FB2300.2 U1000.M21(VDD_CPU_BIG1_MEM_0) U1000.N21(VDD_CPU_BIG1_MEM_1)
VDD_CPU_BIG1_S0: C1024.1 C1025.1 C1027.1 C1028.1 C1029.1 C1030.1 C1031.1 C1032.1 C1033.1 C1081.1 C2310.1 C2310.2 C2311.1 C2312.1 C2313.1 C2314.1 C2315.1 FB2300.1 L2301.2 R2301.1 R2301.2 U1000.K23(VDD_CPU_BIG1_9) U1000.K24(VDD_CPU_BIG1_0) U1000.L23(VDD_CPU_BIG1_8) U1000.L24(VDD_CPU_BIG1_1) U1000.M23(VDD_CPU_BIG1_7) U1000.M24(VDD_CPU_BIG1_2) U1000.N23(VDD_CPU_BIG1_6) U1000.N24(VDD_CPU_BIG1_3) U1000.P23(VDD_CPU_BIG1_5) U1000.P24(VDD_CPU_BIG1_4) U2301.A4(VOUT)
VDD_CPU_LIT_S0: C1054.1 C1057.1 C1058.1 C1059.1 C1060.1 C1061.1 C1070.1 C1071.1 C1082.1 C2217.1 C2217.2 C2218.1 C2219.1 C2220.1 C2221.1 L2203.2 R2203.1 R2203.2 U1000.T21(VDD_CPU_LIT_MEM_1) U1000.T22(VDD_CPU_LIT_MEM_0) U1000.U21(VDD_CPU_LIT_7) U1000.U22(VDD_CPU_LIT_0) U1000.V21(VDD_CPU_LIT_6) U1000.V22(VDD_CPU_LIT_1) U1000.W21(VDD_CPU_LIT_5) U1000.W22(VDD_CPU_LIT_2) U1000.Y21(VDD_CPU_LIT_4) U1000.Y22(VDD_CPU_LIT_3) U2200.37(VOUT2)
VDD_DDR_S0: C1220.1 C1221.1 C1223.1 C1224.1 C1225.1 C1226.1 C1227.1 C1228.1 C1229.1 C1231.1 C2202.1 C2203.1 C2204.1 C2205.1 C2205.2 L2200.1 R2200.1 R2200.2 U1000.L11(DDR_CH1_VDD_0) U1000.L12(DDR_CH1_VDD_1) U1000.L13(DDR_CH1_VDD_2) U1000.L14(DDR_CH1_VDD_3) U1000.L17(DDR_CH1_VDD_MIF_0) U1000.L18(DDR_CH1_VDD_MIF_1) U1000.N13(DDR_CH0_VDD_MIF_0) U1000.P12(DDR_CH0_VDD_3) U1000.P13(DDR_CH0_VDD_MIF_1) U1000.R12(DDR_CH0_VDD_2) U1000.T12(DDR_CH0_VDD_1) U1000.U11(DDR_CH0_VDD_0) U2200.46(VOUT5)
VDD_GPU_S0: C1000.1 C1001.1 C1002.1 C1003.1 C1004.1 C1005.1 C1006.1 C1007.1 C1020.1 C1085.1 C2206.1 C2206.2 C2207.1 C2208.1 C2209.1 C2211.1 L2201.2 R2201.1 R2201.2 U1000.AA12(VDD_GPU_MEM_0) U1000.AA13(VDD_GPU_0) U1000.AA14(VDD_GPU_7) U1000.AA15(VDD_GPU_11) U1000.AB12(VDD_GPU_MEM_1) U1000.AB13(VDD_GPU_1) U1000.AB14(VDD_GPU_6) U1000.AB15(VDD_GPU_10) U1000.AC13(VDD_GPU_2) U1000.AC14(VDD_GPU_5) U1000.AC15(VDD_GPU_9) U1000.AD13(VDD_GPU_3) U1000.AD14(VDD_GPU_4) U1000.AD15(VDD_GPU_8) U2200.49(VOUT1)
VDD_LOG_S0: C1034.1 C1035.1 C1036.1 C1037.1 C1038.1 C1039.1 C1040.1 C1041.1 C1042.1 C2228.1 C2228.2 C2229.1 C2230.1 C2231.1 C2232.1 L2205.2 R2206.1 R2206.2 U1000.AC17(VDD_LOGIC_5) U1000.AC18(VDD_LOGIC_4) U1000.AC19(VDD_LOGIC_3) U1000.AD17(VDD_LOGIC_0) U1000.AD18(VDD_LOGIC_1) U1000.AD19(VDD_LOGIC_2) U1000.K19(VDD_LOGIC_8) U1000.K20(VDD_LOGIC_9) U1000.V16(VDD_LOGIC_6) U1000.V17(VDD_LOGIC_7) U2200.56(VOUT3)
VDD_NPU_S0: C1062.1 C1063.1 C1064.1 C1065.1 C1066.1 C1069.1 C1072.1 C1073.1 C1086.1 C2323.1 C2323.2 C2324.1 C2325.1 C2326.1 C2327.1 C2328.1 L2303.2 R2306.1 R2306.2 U1000.AB21(VDD_NPU_6) U1000.AB22(VDD_NPU_5) U1000.AB23(VDD_NPU_2) U1000.AC22(VDD_NPU_4) U1000.AC23(VDD_NPU_1) U1000.AD22(VDD_NPU_3) U1000.AD23(VDD_NPU_0) U1000.AE22(VDD_NPU_MEM_0) U1000.AE23(VDD_NPU_MEM_1) U2303.A4(VOUT)
VDD_VDENC_S0: C1043.1 C1045.1 C1046.1 C1047.1 C1048.1 C1049.1 C1050.1 C1052.1 C2239.1 C2239.2 C2240.1 C2241.1 C2242.1 C2243.1 L2207.2 R2209.1 R2209.2 U1000.R14(VDD_VDENC_0) U1000.T14(VDD_VDENC_1) U1000.U14(VDD_VDENC_2) U1000.V12(VDD_VDENC_MEM_0) U1000.V13(VDD_VDENC_MEM_1) U1000.V14(VDD_VDENC_3) U1000.W13(VDD_VDENC_5) U1000.W14(VDD_VDENC_4) U2200.24(VOUT4)
VDDA_0V75_S0: C1408.1 C1714.1 C1715.1 C1729.1 C1735.1 C1738.1 C1752.1 C2267.1 U1000.AA9(HDMI/EDP_TX0_VDD_0V75) U1000.AB9(HDMI/EDP_TX0_AVDD_0V75) U1000.AC9(HDMI/EDP_TX1_AVDD_0V75) U1000.AD9(HDMI/EDP_TX1_VDD_0V75) U1000.AE8(HDMI_RX_AVDD0V75) U1000.AH10(USB20_DVDD_0V75) U2200.11(NLDO3)